# Altium PCB Copy of RasperryPi_Hat22.PcbDoc
Units mil, origin at the board's own origin, x right, y up, seen from the top; angles counter-clockwise.
Board outline 2559.06 x 2241.41 mil, 2 copper layers (Top Layer, Bottom Layer); 88 components, 71 nets, 331 pads, 93 vias.
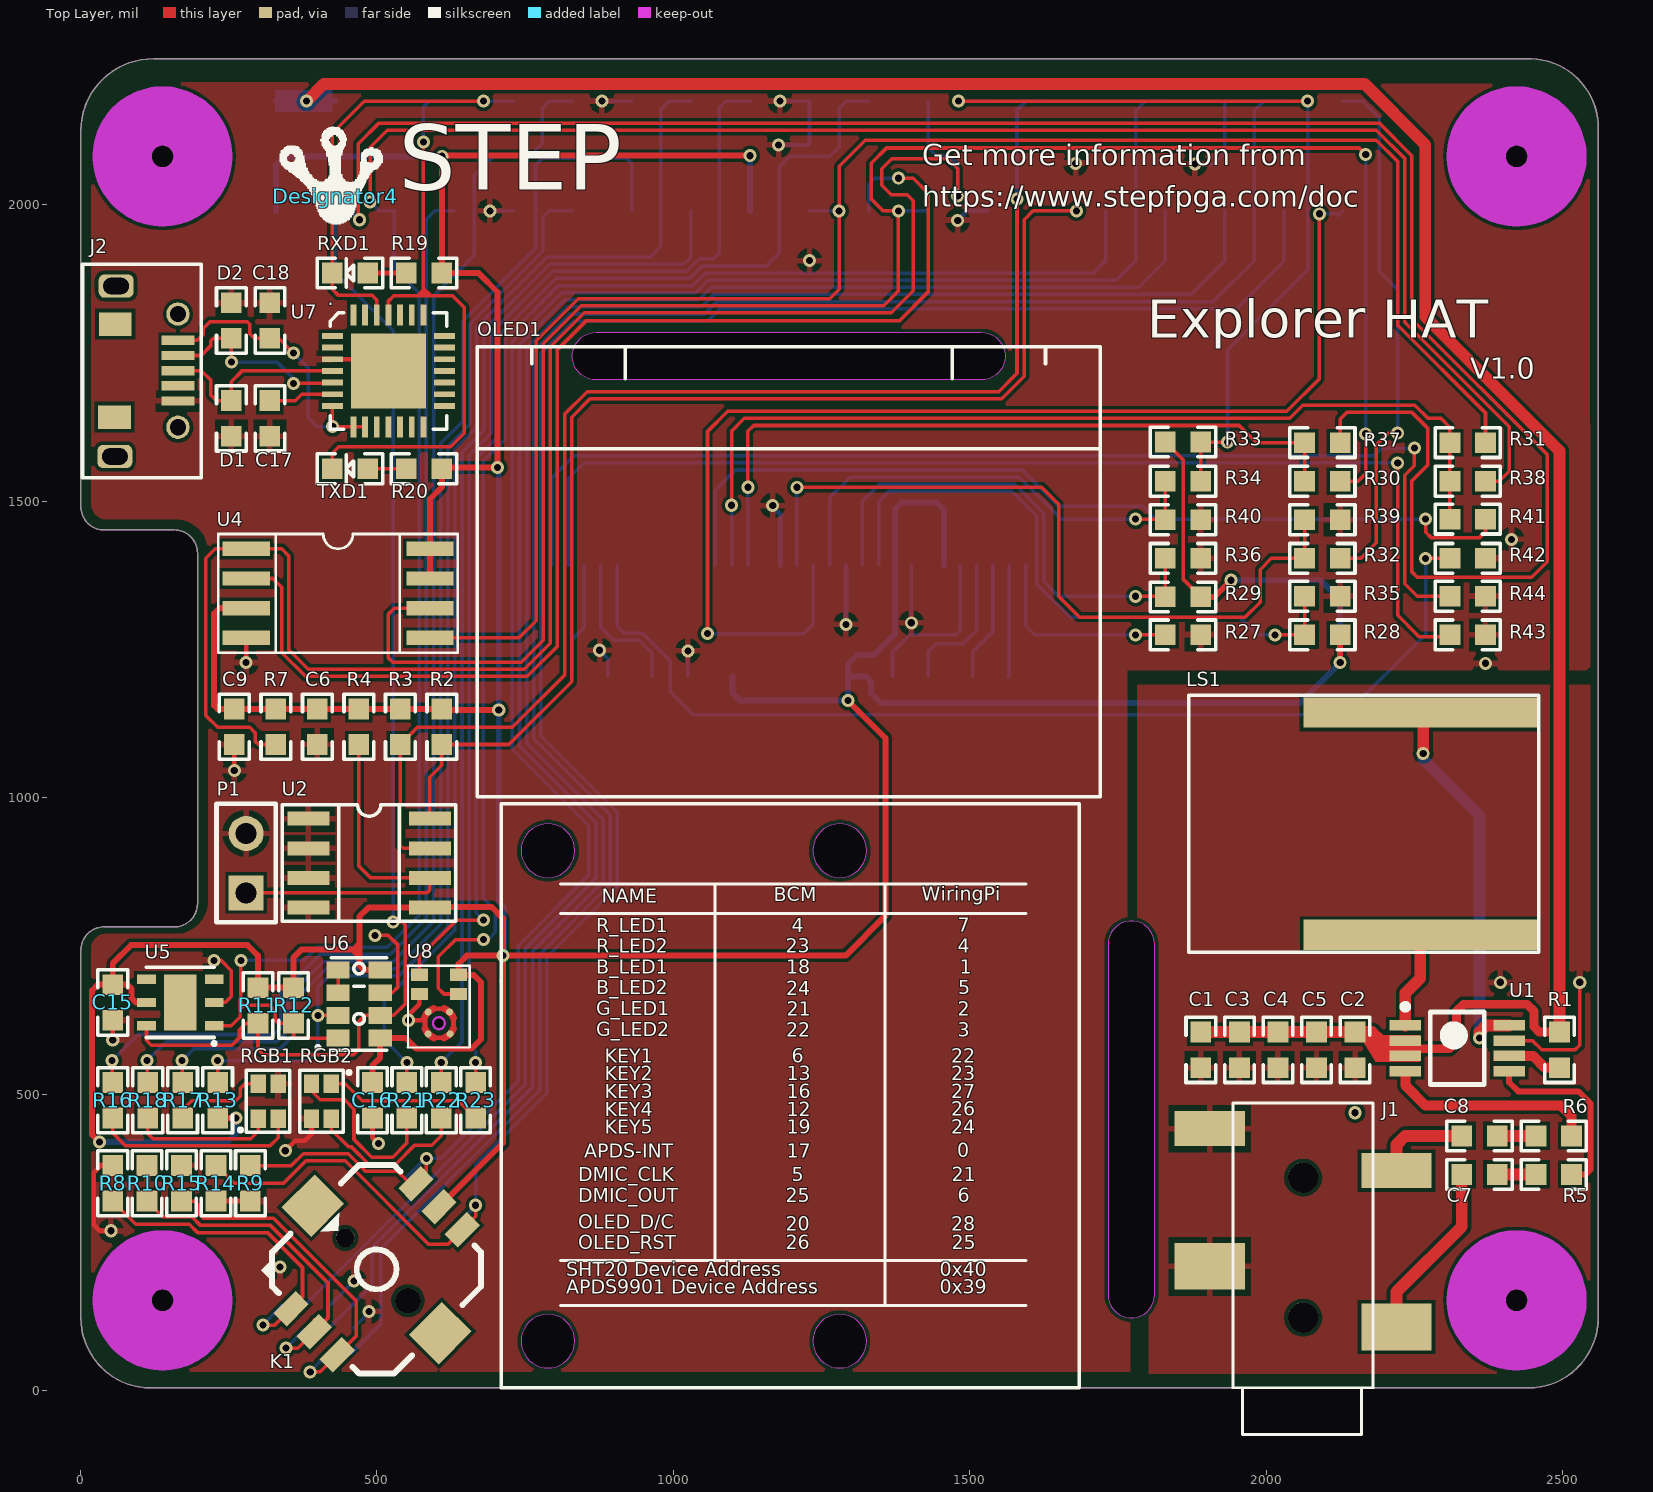
[diagram p0: Top Layer view]
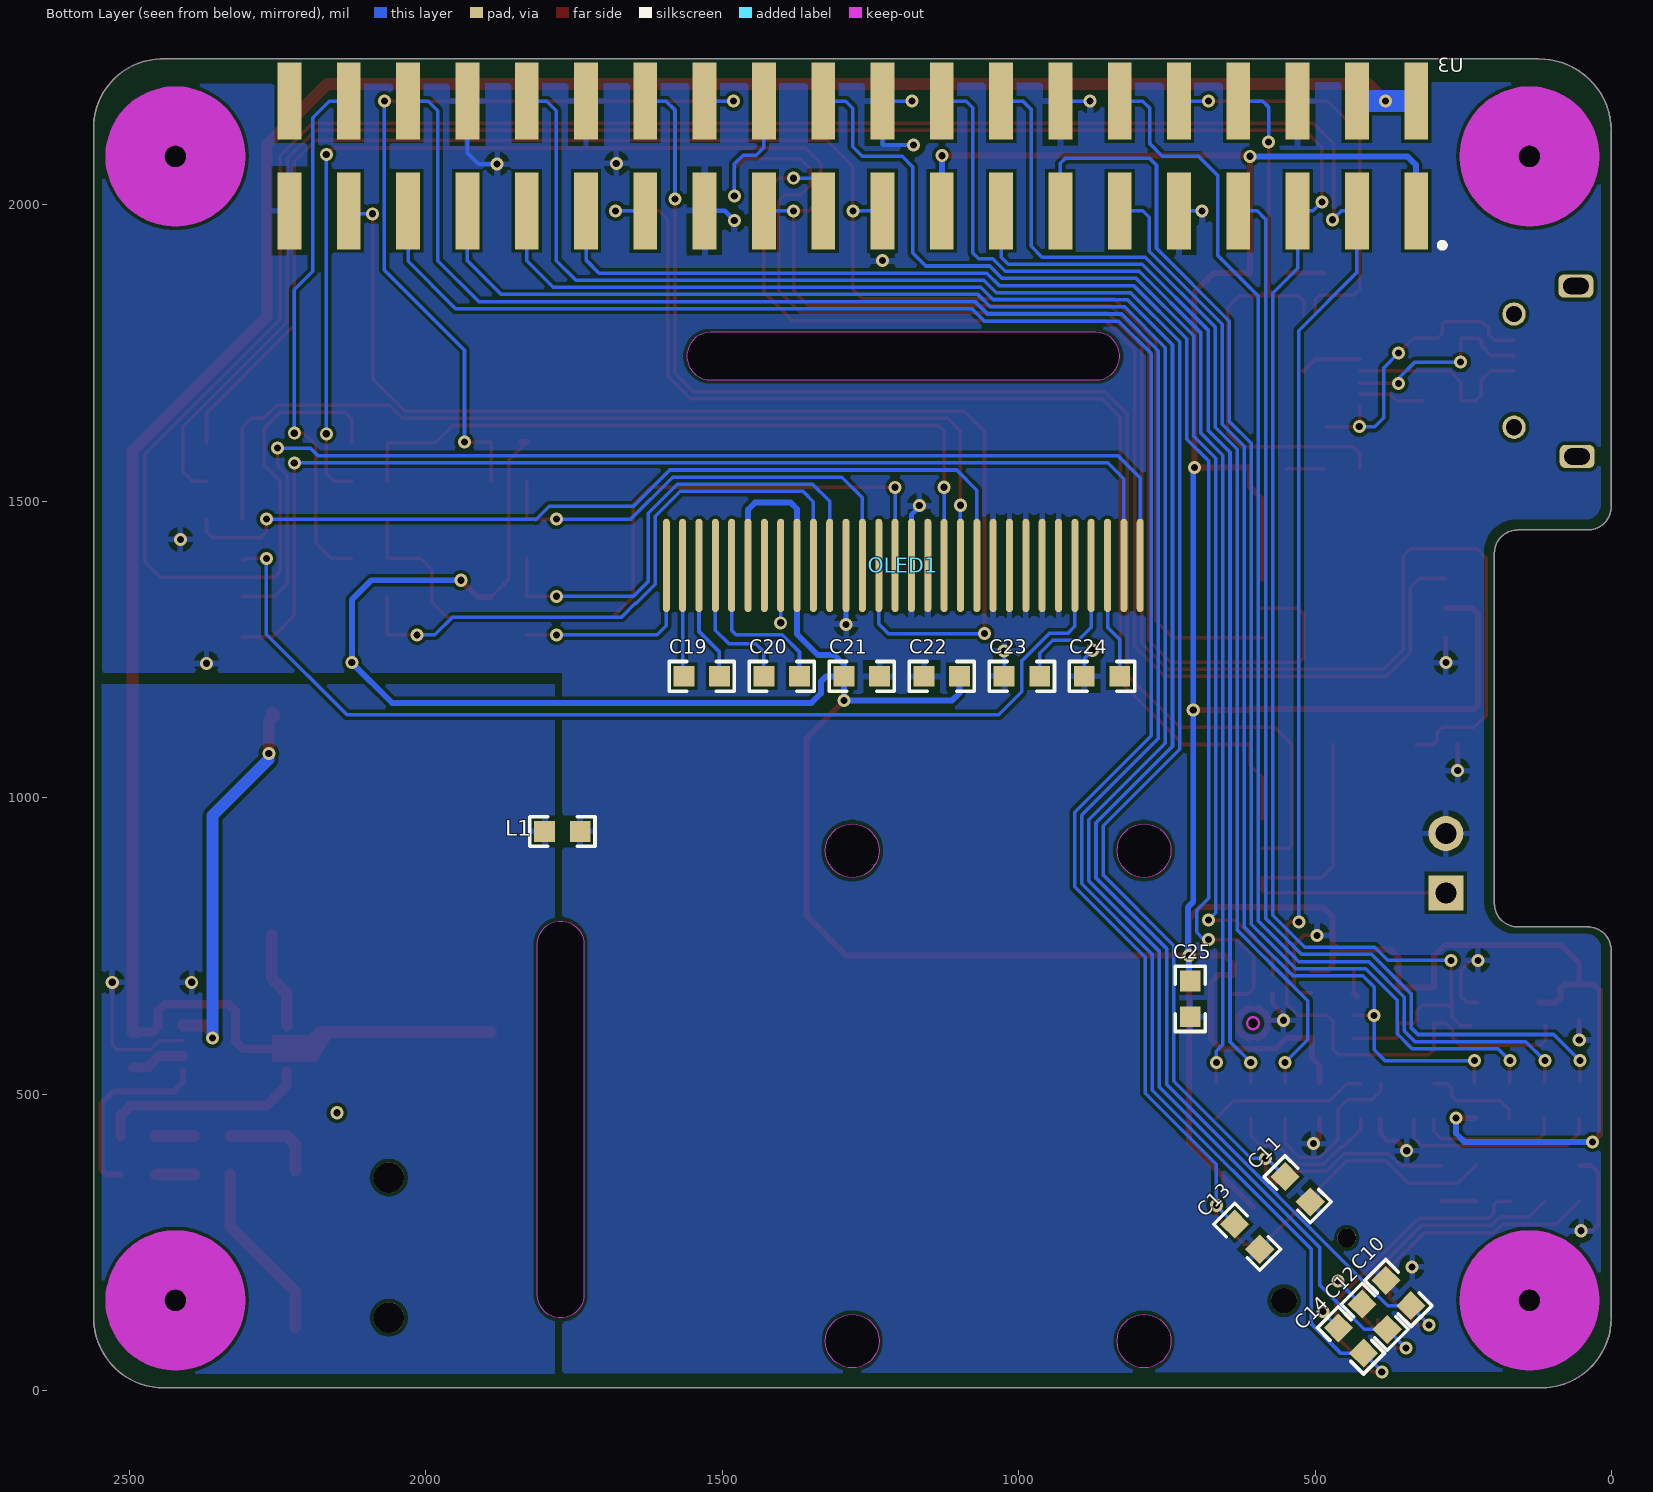
[diagram p1: Bottom Layer view, seen from below]

## Layer stack, top to bottom
Top Solder: solder mask 0.4, Solder Resist, Dk 3.5
Top Layer: signal copper 1.4
Dielectric 1: dielectric 12.6, FR-4, Dk 4.8
Bottom Layer: signal copper 1.4
Bottom Solder: solder mask 0.4, Solder Resist, Dk 3.5

## Board outline
1.18,123.08 1.18,743.15 cw(c40.55,743.15) 40.55,782.52 158.66,782.52 ccw(c158.66,821.89) 198.03,821.89 198.03,1412.45 ccw(c158.66,1412.45) 158.66,1451.82 40.55,1451.82 cw(c40.55,1491.19) 1.18,1491.19 1.18,2126 cw(c122.92,2124.63) 124.29,2246.38 2447.12,2246.38 cw(c2443.99,2130.13) 2560.23,2127 2560.23,123.08 cw(c2442.12,123.08) 2442.12,4.97 119.29,4.97 cw(c119.29,123.08)
cut-out: 1235.72,911 ccw(c1281,911) 1281,865.72 ccw(c1281,911) 1326.28,911 ccw(c1281,911) 1281,956.28 ccw(c1281,911)
cut-out: 1235.72,84 ccw(c1281,84) 1281,38.72 ccw(c1281,84) 1326.28,84 ccw(c1281,84) 1281,129.28 ccw(c1281,84)
cut-out: 743.72,84 ccw(c789,84) 789,38.72 ccw(c789,84) 834.28,84 ccw(c789,84) 789,129.28 ccw(c789,84)
cut-out: 743.72,911 ccw(c789,911) 789,865.72 ccw(c789,911) 834.28,911 ccw(c789,911) 789,956.28 ccw(c789,911)
cut-out: 595,620 ccw(c605,620) 605,610 ccw(c605,620) 615,620 ccw(c605,620) 605,630 ccw(c605,620)
cut-out: 870,1705 cw(c870,1745) 870,1785 1520,1785 cw(c1520,1745) 1520,1705
cut-out: 1733.46,162.45 ccw(c1772.83,162.45) 1812.2,162.45 1812.2,753 ccw(c1772.83,753) 1733.46,753

## Design rules (kind name [scope] priority, off if disabled: settings)
Clearance [All] p1: gap=6
DiffPairsRouting [All] p1: maxlimit=8 minlimit=8 mostfreqgap=8 toplayer_minwidth=6 toplayer_maxwidth=6 toplayer_prefwidth=6 bottomlayer_minwidth=6 bottomlayer_maxwidth=6 bottomlayer_prefwidth=6 maxuncoupledlength=500
HoleSize [All] p1: absolutevalues=TRUE maxlimit=196.85 minlimit=1 maxpercent=80.000 minpercent=20.000
HoleToHoleClearance [All] p1: gap=6 allowstackedmicrovias=TRUE
MinimumSolderMaskSliver [All] p1 off: minsoldermaskwidth=0
PolygonConnect [All] p1: connectstyle=Relief reliefconductorwidth=10 reliefentries=4 polygonreliefangle="90 Angle" airgapwidth=10
RoutingVias [All] p1: holewidth=12 width=22 viastyle="Through Hole" minholewidth=12 minwidth=22 maxholewidth=12 maxwidth=22
SilkToSilkClearance [All] p1: silktosilkclearance=1
SilkToSolderMaskClearance [IsPad] p1: minsilkscreentomaskgap=1 clearancetoexposedcopper=TRUE
SolderMaskExpansion [All] p1: expansion=4
Width [All] p1: maxlimit=20 minlimit=6 preferedwidth=6
24 further rules are at their usual default settings.

## Classes and differential pairs
component class OLED: C19 C20 C21 C22 C23 C24 OLED1 R27 R28 R29 R30 R31 R32 R33 R34 R35 R36 R37 R38 R39 R40 R41 R42 R43 R44
component class Key_RGB_Sensor_Uart: C10 C11 C12 C13 C14 C15 C16 C17 C18 C25 D1 D2 J2 K1 R8 R9 R10 R11 R12 R13 R14 R15 R16 R17 R18 R19 R20 R21 R22 R23 RGB1 RGB2 RXD1 TXD1 U5 U6 U7 U8
component class Audio_Flash_eeprom: C1 C2 C3 C4 C5 C6 C7 C8 C9 J1 L1 LS1 P1 R1 R2 R3 R4 R5 R6 R7 U1 U2 U3 U4
differential pair UART: +UART_P -UART_N

## Components (designator, comment, footprint, x,y, rotation, side; value= is the part's Value field where it differs from the comment)
C1 "10uF" C0603 1890,575 r90 top
C2 "1uF" C0603 2150,575 r90 top
C3 "1uF" C0603 1955,575 r90 top
C4 "DNI" C0603 2020,575 r90 top
C5 "DNI" C0603 2085,575 r90 top
C6 "100nF" C0603 400,1120 r90 top
C7 "7nF" C0603 2360,365 r180 top
C8 "7nF" C0603 2360,430 r180 top
C9 "100nF" C0603 260,1120 r90 top
C10 "100nF" C0603 360,165 r45 bottom
C11 "100nF" C0603 530,340 r45 bottom
C12 "100nF" C0603 400,125 r45 bottom
C13 "100nF" C0603 615,260 r45 bottom
C14 "100nF" C0603 440,85 r45 bottom
C15 "100nF" C0603 55,655 r90 top
C16 "100nF" C0603 493,490 r90 top
C17 "100nF" C0603 320,1640 r90 top
C18 "100nF" C0603 320,1805 r270 top
C19 "1uF" C0603 1535,1205 r0 bottom
C20 "1uF" C0603 1400,1205 r0 bottom
C21 "1uF" C0603 1265,1205 r0 bottom
C22 "1uF" C0603 1130,1205 r180 bottom
C23 "4.7uF" C0603 995,1205 r180 bottom
C24 "2.2uF" C0603 860,1205 r180 bottom
C25 "100nF" C0603 711,661 r90 bottom
D1 "PGB1010603" C0603 255,1640 r90 top
D2 "PGB1010603" C0603 255,1805 r270 top
Designator4 "Comment" "LOGO STEP 4.5x4.5mm" 430,2015 r0 top
J1 "Headphone" AudioJack 1905,210 r0 top
J2 "MicroUSB" MICRO_USB_4 165,1625 r90 top
K1 "KEY_5_DIR" KEY-CH5 500,205 r45 top
L1 "Inductor" C0603 1769.92,943.47 r180 bottom
LS1 "Speaker" Speaker 2460,740 r90 top
OLED1 "OLED12864" OLED_128*64_0.96_30PIN 1195,1395 r0 top
P1 "Header 2" HDR1X2 280,840 r90 top
R1 "4.7K" R0603 2495,545 r90 top
R2 "4.7K" R0603 610,1090 r90 top
R3 "4.7K" R0603 540,1090 r90 top
R4 "4.7K" R0603 470,1090 r90 top
R5 "150K" R0603 2515,365 r180 top
R6 "150K" R0603 2515,430 r180 top
R7 "4.7K" R0603 330,1090 r90 top
R8 "2K" R0603 55,320 r90 top
R9 "2K" R0603 287,320 r90 top
R10 "2K" R0603 113,320 r90 top
R11 "4.7K" R0603 300,620 r90 top
R12 "4.7K" R0603 360,620 r90 top
R13 "4.7K" R0603 232,520 r270 top
R14 "2K" R0603 229,320 r90 top
R15 "2K" R0603 171,320 r90 top
R16 "2K" R0603 55,460 r90 top
R17 "2K" R0603 173,460 r90 top
R18 "2K" R0603 114,460 r90 top
R19 "2K" R0603 610,1885 r180 top
R20 "2K" R0603 610,1555 r180 top
R21 "2K" R0603 551,460 r90 top
R22 "2K" R0603 609,460 r90 top
R23 "2K" R0603 667,460 r90 top
R27 "0R" R0603 1890,1275 r180 top
R28 "4.7K" R0603 2125,1275 r180 top
R29 "4.7K" R0603 1890,1339 r180 top
R30 "0R" R0603 2125,1534 r180 top
R31 "0R" R0603 2370,1599 r180 top
R32 "0R" R0603 2125,1404 r180 top
R33 "4.7K" R0603 1830,1600 r0 top
R34 "0R" R0603 1830,1534 r0 top
R35 "4.7K" R0603 2065,1340 r0 top
R36 "4.7K" R0603 1830,1404 r0 top
R37 "0R" R0603 2065,1599 r0 top
R38 "0R" R0603 2310,1534 r0 top
R39 "0R" R0603 2065,1469 r0 top
R40 "4.7K" R0603 1830,1469 r0 top
R41 "0R" R0603 2310,1470 r0 top
R42 "1M" R0603 2370,1404 r180 top
R43 "0R" R0603 2370,1275 r180 top
R44 "0R" R0603 2370,1340 r180 top
RGB1 "RGB_CN" RGB_LEDCN 334,459 r90 top
RGB2 "RGB_CN" RGB_LEDCN 390,518 r270 top
RXD1 "LED" LED0603 485,1885 r180 top
TXD1 "LED" LED0603 485,1555 r180 top
U1 "PAM8303DBSC" MSOP8 2322.4,577.8 r0 top
U2 "CAT24C32WI-GT3" SOP-8 385,965 r0 top
U3 "Raspberrypi_40pins" SMT_2*20_2.54 330,1990 r0 bottom
U4 "W25Q64FVSSIG" SOIC8 435,1345 r0 top
U5 "SHT-20" SHT20 169,655 r0 top
U6 "APDS-9901" APDS9901 435,595 r0 top
U7 "CP2102-GM" QFN5*5_28 520,1720 r0 top
U8 "SPH0641LM4H" SPH(3.5*2.65) 605,620 r0 top

## Footprints (in the part's own frame and the unit in brackets; to place one, negate y for a bottom-side part, rotate by r counter-clockwise, add the part's x,y. Pads: shape width x height; smd on the part's side, far side on the other; paste and mask are expansions set on the pad)
APDS9901 [mm] "接近式传感器"
  rect 1x0.72 smd: 1(0,0) 2(0,0.97) 3(0,1.94) 4(0,2.91) 5(1.8,2.91) 6(1.8,1.94) 7(1.8,0.97) 8(1.8,0)
  silkscreen extent -0.94,-0.53 2.08,3.44
AudioJack [mm]
  rect 3x2 smd: 1(8,-2.6) 3(0,0)
  rect 3x1.5 smd: 2(8,4.1) 4(0,5.9)
  round 1.3 hole 1.3 unplated: G1(4,-2.2) G2(4,3.8)
  silkscreen extent 1,-7.2 7,7
C0603 [mil]
  rect 35x35 smd: 1(-30,0) 2(30,0)
  silkscreen extent -55,-25 55,25, body extent -31,-16 31,16, height 24
HDR1X2 [mm] "Connector; Header; 2 Position"
  rect 1.5x1.5 hole 0.9: 1(0,0)
  round 1.5 hole 0.9: 2(2.54,0)
  silkscreen extent -1.27,-1.27 3.81,1.27
KEY-CH5 [mm]
  rect 1.35x0.8 smd: 1(-3.785,1.397) 2(-3.785,0) 3(-3.785,-1.397) 4(3.785,1.397) 5(3.785,0) 6(3.785,-1.397)
  round 1.1 hole 1.1: ""(0,-1.9)
  rect 2x1.8 smd: ""(0,3.861) ""(0,-3.861)
  round 0.8 hole 0.8: ""(0,1.9)
  silkscreen extent -3.68,-3.68 3.68,3.68, body extent -3.74,-3.75 3.74,3.75, height 5
LED0603 [mil]
  rect 35x35 smd: 1(0,0) 2(60,0)
  silkscreen extent -25,-25 85,25, body extent -3,-18 64,18, height 35
"LOGO STEP 4.5x4.5mm" [mil] "step丝印，4.5x4.5mm"
  silkscreen extent -94,-47 81,117
MICRO_USB_4 [mm]
  rect 0.4x1.4 smd: 1(3.725,0) 2(3.075,0) 3(2.425,0) 4(1.775,0) 5(1.125,0)
  rrect50% 1x1.5 hole 0.7 slot 1.1 at 90 deg: ""(-1.251,2.701) ""(6.05,2.65)
  round 1 hole 0.7: ""(0,0) ""(4.85,0)
  rect 1x1.4 smd: ""(0.432,2.718) ""(4.42,2.692)
  silkscreen extent -2.16,-1 6.98,4.09, body extent -1.69,-0.15 6.51,5.28, height 2.73
MSOP8 [mm] "MSOP, 8-Leads, Body 3.00x3.00mm, Pitch 0.65mm, IPC Medium Density"
  rect 1.35x0.45 smd: 1(-2.225,0.975) 2(-2.225,0.325) 3(-2.225,-0.325) 4(-2.225,-0.975) 6(2.225,-0.325) 7(2.225,0.325) 8(2.225,0.975)
  rect 1.35x0.45 smd mask+0.102: 5(2.225,-0.975)
  silkscreen extent -2.35,-1.55 1.15,1.9, body extent -1.55,-1.55 1.55,1.55, height 1.1
OLED_128*64_0.96_30PIN [mm] "OLED_128*64_0.96_30PIN"
  oval 0.3x4 smd far side: 1(10.15,-0.076) 2(9.45,-0.076) 3(8.75,-0.076) 4(8.05,-0.076) 5(7.35,-0.076) 6(6.65,-0.076) 7(5.95,-0.076) 8(5.25,-0.076) 9(4.55,-0.076) 10(3.85,-0.076) 11(3.15,-0.076) 12(2.45,-0.076) 13(1.75,-0.076) 14(1.05,-0.076) 15(0.35,-0.076) 16(-0.35,-0.076) 17(-1.05,-0.076) 18(-1.75,-0.076) 19(-2.45,-0.076) 20(-3.15,-0.076) 21(-3.85,-0.076) 22(-4.55,-0.076) 23(-5.25,-0.076) 24(-5.95,-0.076) 25(-6.65,-0.076) 26(-7.35,-0.076) 27(-8.05,-0.076) 28(-8.75,-0.076) 29(-9.45,-0.076) 30(-10.15,-0.076)
  silkscreen extent -13.35,-9.98 13.35,9.3, body extent -13.27,-9.98 13.43,12.24, height 1.32
QFN5*5_28 [mm] "类型QFN，尺寸5*5mm，引脚28pin"
  rect 0.9x0.25 smd: 1(-2.4,1.5) 2(-2.4,1) 3(-2.4,0.5) 4(-2.4,0) 5(-2.4,-0.5) 6(-2.4,-1) 7(-2.4,-1.5) 15(2.4,-1.5) 16(2.4,-1) 17(2.4,-0.5) 18(2.4,0) 19(2.4,0.5) 20(2.4,1) 21(2.4,1.5)
  rect 0.25x0.9 smd: 8(-1.5,-2.4) 9(-1,-2.4) 10(-0.5,-2.4) 11(0,-2.4) 12(0.5,-2.4) 13(1,-2.4) 14(1.5,-2.4) 22(1.5,2.4) 23(1,2.4) 24(0.5,2.4) 25(0,2.4) 26(-0.5,2.4) 27(-1,2.4) 28(-1.5,2.4)
  rect 3.2x3.2 smd: 29(0,0)
  silkscreen extent -2.5,-2.5 2.5,2.5, body extent -2.49,-2.5 2.51,2.5, height 1.07
R0603 [mil]
  rect 35x35 smd: 1(0,0) 2(60,0)
  silkscreen extent -25,-25 85,25, body extent -1,-16 62,16, height 18
RGB_LEDCN [mm] "RGB三色灯，共阴，1.5*1.6mm"
  rect 0.8x0.65 smd: 1(0,0.85) 2(1.5,0.85) 3(0,0) 4(1.5,0)
  silkscreen extent -0.58,-0.5 2.08,1.64
SHT20 [mm] "温湿度传感器"
  rect 1.4x2.4 smd: 0(0,0)
  rect 0.8x0.4 smd: 1(1.45,-1) 2(1.45,0) 3(1.45,1) 4(-1.45,1) 5(-1.45,0) 6(-1.45,-1)
  silkscreen extent -1.45,-1.84 1.53,1.5
SMT_2*20_2.54 [mm]
  rect 1.02x3.3 smd: 1(0,0) 2(0,-4.7) 3(2.54,0) 4(2.54,-4.7) 5(5.08,0) 6(5.08,-4.7) 7(7.62,0) 8(7.62,-4.7) 9(10.16,0) 10(10.16,-4.7) 11(12.7,0) 12(12.7,-4.7) 13(15.24,0) 14(15.24,-4.7) 15(17.78,0) 16(17.78,-4.7) 17(20.32,0) 18(20.32,-4.7) 19(22.86,0) 20(22.86,-4.7) 21(25.4,0) 22(25.4,-4.7) 23(27.94,0) 24(27.94,-4.7) 25(30.48,0) 26(30.48,-4.7) 27(33.02,0) 28(33.02,-4.7) 29(35.56,0) 30(35.56,-4.7) 31(38.1,0) 32(38.1,-4.7) 33(40.64,0) 34(40.64,-4.7) 35(43.18,0) 36(43.18,-4.7) 37(45.72,0) 38(45.72,-4.7) 39(48.26,0) 40(48.26,-4.7)
  silkscreen extent -1.23,1.37 -1.01,1.58
SOIC8 [mil]
  rect 80x24 smd: 1(-155,75) 2(-155,25) 3(-155,-25) 4(-155,-75) 5(155,-75) 6(155,-25) 7(155,25) 8(155,75)
  silkscreen extent -202,-100 202,100, body extent -167,-106 163,106, height 91
SOP-8 [mm]
  rect 1.8x0.6 smd: 1(0,0) 2(0,-1.27) 3(0,-2.54) 4(0,-3.81) 5(5.2,-3.81) 6(5.2,-2.54) 7(5.2,-1.27) 8(5.2,0)
  silkscreen extent -1.12,-4.4 6.32,0.6, body extent -0.38,-4.36 5.62,0.55, height 1.7
Speaker [mm]
  rect 1.3x10 smd: 1(0.737,5.08) 2(10.262,5.08)
  silkscreen extent 0,0 11,15
SPH(3.5*2.65) [mm]
  rect 0.725x0.522 smd: 1(-0.837,2.074) 2(-0.837,1.252) 4(0.837,1.252) 5(0.837,2.074)
  round 0.3 smd: 3(-0.457,-0.457) 3(-0.457,0.483) 3(0.457,0.483) 3(0.483,-0.457)
  Top Layer lines w0.3: -0.623,0.224 cw(c0,-0.002) -0.227,0.62 ; -0.595,-0.227 ccw(c0.028,0) -0.199,-0.623 ; 0.227,-0.623 ccw(c0,0) 0.623,-0.227 ; 0.227,0.623 cw(c0,0) 0.232,0.62 cw(c0,0) 0.623,0.227
  Keep-Out Layer circle w0.102: c0,0 r0.254
  silkscreen extent -1.33,-1.04 1.33,2.46

## Part data
C1 C2 C3 C4 C5 C6 C7 C8 C10 C11 C12 C13 C14 C15 C16 C19 C20 C21 C22 C23 C24: library part "Cap Semi", "Capacitor (Semiconductor SIM Model)"
C9 C17 C18 C25: library part Cap, "Capacitor"
D1 D2: "ESD 抑制器 0603 24VDC .06pF"
J1: library part PHONEJACK1
J2: library part "Micro USB Header", "Micro USB Header"
K1: "五向按键开关，摇杆"
LS1: "Loudspeaker"
OLED1: "OLED 12864 0.9inch"
P1: "Header, 2-Pin"
R1 R2 R3 R4 R5 R6 R7 R8 R9 R10 R11 R12 R13 R14 R15 R16 R17 R18 R19 R20 R21 R22 R23 R27 R28 R29 R30 R31 R32 R33 R34 R35 R36 R37 R38 R39 R40 R41 R42 R43 R44: library part Res1, "Resistor"
RXD1 TXD1: "Typical INFRARED GaAs LED,1.8V,10mA,Red"
U1: library part PAM8303D
U2: "Raspiberry Config EEProm"
U3: "树莓派40pin管脚"
U4: library part M25P32-VMW6TG
U5: "温湿度传感器"
U6: "接近式传感器"
U7: library part CP2102, "CP2102，USB转串口UART驱动芯片"
U8: "数字麦克风"

## Free pads (board coordinates)
  round 106.3 hole 108.27 mask+66.93: 6(138.97,152.6) 6(138.97,2081.74) 6(2422.44,152.6) 6(2422.44,2081.74)

## Via types
v1: diameter 22, hole 12, Top Layer to Bottom Layer, tented both sides, 93 vias

## Nets (pads, with @x,y where several pads share a name; then routed paths per layer and width w, separated by ;. In a path a pad name is that pad's centre, name@x,y a point inside that pad or via, vN(x,y) a via of type N, cw(c..) or ccw(c..) an arc to the next point about the centre after c; other vN are vias at no path point)
+3.3V: C6.2 C9.2 C15.2 C16.2 C21.2 C22.2 C25.2 K1.5 OLED1.6 OLED1.9 R2.2 R3.2 R4.2 R7.2 R11.2 R12.2 R13.2 R19.1 R20.1 R28.1 R29.1 R33.1 U2.5 U3.1 U3.17 U4.3 U4.7 U4.8 U5.5 U6.5 U6.8 U8.5 | length 9556.3
  Top Layer w6: R33.1 1860,1570 1860,1369 R29.1
  Top Layer w10: v1(33,420) 32,420 20,432 20,675 30,685 C15.2 ; U5.5@122.91,655 94,655 87,662 87,678 80,685 C15.2 ; R13.2 v1(263,460) ; U4.3 235,1320 226,1311 226,1156 232,1150 C9.2 R7.2 C6.2 R4.2 R3.2 R2.2 611,1151 614,1148 v1(706,1148) ; C16.2 493,549 505.87,561.87 U6.8 549,595 567,577 660,577 676,593 676,689 663.35,701.65 U8.5 637.97,720 651.97,734 v1(713,734) ; U6.5 479.43,709.57 471,718 471,733 460,744 ; U4.7 U4.8 590,1504 610,1524 R20.1 612,1557 v1(704,1557) 704,1853 672,1885 R19.1 v1(610,2082) 612,2080 615,2083 v1(1130,2083) ; K1.5 713,418 v1(713,734) ; v1(1295,1164) 1358,1101 1358,801 1291,734 v1(713,734) ; R33.1 R33.1@1839,1600 ; R29.1 1913,1339 v1(1941,1367) ; v1(2125,1228) R28.1 ; C15.2 55,721 86,752 282,752 300,734 R11.2 R12.2 360,731 373,744 460,744 ; 460,744 461,744 471,754 471,800 486,815 U2.5 590.72,816 694,816 713,797 v1(713,734)
  Bottom Layer w10: v1(33,420) 249,420 263,434 v1(263,460) ; U3.1 330,2067 345,2082 v1(610,2082) ; v1(704,1557) 706,1555 v1(706,1148) 706,824.8 714.25,816.55 714.25,815.75 715,815 715,736 v1(713,734) 713,693 C25.2 ; C22.2 1100,1177 1113,1164 v1(1295,1164) C21.2 ; U3.17 v1(1130,2083) ; OLED1.6 1456.81,1486.19 1445,1498 1385,1498 1374.13,1487.13 OLED1.9 1374.13,1276.13 1339,1241 1311,1241 1295,1225 C21.2 ; v1(1941,1367) 2092,1367 2125,1334 v1(2125,1228) 2057,1160 1350,1160 1334,1176 1334,1196 1325,1205 C21.2
+5V: C18.2 J2.1 U7.7 U7.8 U7.9 | length 502.7
  Top Layer w6: J2.1 197.65,1771.65 208,1782 208,1792 219,1803 282,1803 286,1799 286,1783 294,1775 C18.2 335,1775 v1(360,1750) ; U7.7 425.51,1626.51 v1(426,1626) 480.39,1626 U7.9@481.39,1625
  Bottom Layer w6: v1(360,1750) 385,1725 385,1641 400,1626 v1(426,1626)
+5V_RPi: C1.2 C2.2 C3.2 C4.2 C5.2 R1.2 U1.2 U1.3 U3.2 U3.4 | length 4294.8
  Top Layer w15: 2235,577 2309,577 2321,589 2321,640 2333,652 2440,652 2452,640 2452,614 2461,605 R1.2@2486,605
  Top Layer w20: v1(382,2175) 411,2204 2166,2204 2268.5,2101.5 2268.5,1811.37 2495,1584.87 R1.2 R1.2@2486,605 ; C1.2 C3.2 C4.2 C5.2 C2.2 2178.55,605 2192.23,591.32
  Bottom Layer w10: U3.2 U3.4
APDS-INT: R13.1 U3.11 U6.2 | length 1924.3
  Top Layer w6: R13.1 v1(232,557) ; v1@408.81,633.19 U6.2
  Bottom Layer w6: v1(232,557) 383,557 401,575 v1(401,633) 401,681.03 419.97,700 537.88,700 556,718.12 556,718.23 581.77,744 581.88,744 620.01,782.13 620.01,1592.85 657,1629.84 657,1799.03 780,1922.03 780,1979 791,1990 U3.11
AUDIO_GND: C1.1 C2.1 C3.1 C4.1 C5.1 J1.3 J1.4 L1.1 U1.7 | length 234.8
  Top Layer w6: U1.7 2449.41,590.59 2465,575 2521,575 2529,583 v1(2529,689)
  other v1: 2395,689
B_LED1: R18.2 U3.12 | length 2188.3
  Top Layer w6: R18.2@113,521 v1(113,557)
  Bottom Layer w6: v1(113,557) 145,589 332.03,589 350,606.97 350,663.97 410.03,724 527.94,724 532,728.06 532,728.17 571.83,768 571.94,768 596.01,792.07 596.01,1846.01 665,1915 665,2050 697,2082 758,2082 779,2103 779,2163 791.04,2175.04 U3.12
B_LED2: R23.2 U3.18 | length 2026.4
  Top Layer w6: R23.2 v1(667,554)
  Bottom Layer w6: v1(667,554) 667,573 656.01,583.99 656.01,1577.94 693,1614.93 693,1784.12 796.88,1888 1023.21,1888 1044.21,1909 1068,1909 1078,1919 1078,2164 1089.04,2175.04 U3.18
BS0: OLED1.10 R28.2 R35.1 | length 1065.8
  Top Layer w6: v1(2015,1275) R28.2 R35.1
  Bottom Layer w6: OLED1.10 1346.57,1499.57 1364,1517 1571.03,1517 1613,1475.03 1613,1360.03 1645.03,1328 1647,1328 1670,1305 1955,1305 1985,1275 v1(2015,1275)
BS1: OLED1.11 R29.2 R36.1 | length 842.1
  Top Layer w6: v1(1780,1340) 1829,1340 R29.2 R36.1
  Bottom Layer w6: OLED1.11 1319.02,1500.02 1348,1529 1576,1529 1625,1480 1625,1365 1650,1340 v1(1780,1340)
CE0: R7.1 U3.24 U4.1 | length 2970.5
  Top Layer w6: R7.1 301,1090 295,1096 295,1110 286,1119 232,1119 212,1139 212,1404 228,1420 U4.1 340,1420 352,1408 352,1249.97 384.97,1217 749.03,1217 793,1260.97 793,1761.03 849.97,1818 1368,1818 1405,1855 1405,2007 1395,2017 1368,2017 1352,2033 1352,2061 1369,2078 1463,2078 1480,2061 v1(1480,2015)
  Bottom Layer w6: U3.24 1430,2097 1443,2084 1465,2084 1480,2069 v1(1480,2015)
CE1: R33.2 R34.2 U3.26 | length 1379.9
  Top Layer w6: v1(1481,2175) v1(2070,2175) ; R34.2 R33.2 v1(1935,1600)
  Bottom Layer w6: v1(1481,2175) v1(1481,2175) U3.26 ; v1(1935,1600) 1935,1755 2070,1890 v1(2070,2175)
CLK: OLED1.18 R30.2 R37.1 | length 1246.1
  Top Layer w6: v1(1126.1,1523.9) 1126.1,1618.1 1136,1628 1955,1628 1984,1599 R37.1 R30.2
  Bottom Layer w6: OLED1.18 v1(1126.1,1523.9)
CS: OLED1.13 R34.1 R40.1 | length 787.9
  Top Layer w6: v1(1780,1470) R40.1@1829,1470 ; R40.1 R34.1
  Bottom Layer w6: OLED1.13 1263.9,1505.9 1299,1541 1584,1541 1655,1470 v1(1780,1470)
D/C: OLED1.15 R32.2 R39.1 | length 1307.6
  Top Layer w6: v1(1208.78,1523.78) 1621.22,1523.78 1650,1495 1650,1340 1685,1305 1965,1305 1990,1330 1990,1385 2009,1404 R32.2 R39.1
  Bottom Layer w6: OLED1.15 v1(1208.78,1523.78)
DIN: OLED1.19 R31.2 R38.1 R41.1 | length 1626.3
  Top Layer w6: v1(1098.54,1493.54) 1098.54,1618.54 1120,1640 2039.97,1640 2061.97,1662 2251,1662 2273,1640 2295,1640 2310,1625 R31.2 R38.1 R41.1
  Bottom Layer w6: OLED1.19 v1(1098.54,1493.54)
DMIC_CLK: U3.29 U8.4 | length 2380
  Top Layer w6: U8.4 613.71,669.29 604,679 604,732 633,761 v1(680,761)
  Bottom Layer w6: v1(680,761) 688,761 700.25,773.25 700.25,810.75 680.01,830.99 680.01,1568 717,1604.99 717,1774.18 806.82,1864 1033.15,1864 1054.15,1885 1708,1885 1730,1907 U3.29
DMIC_OUT: U3.22 U8.1 | length 2085
  Top Layer w6: U8.1@574.68,701 573.68,700 U8.1 572.03,731.03 635,794 v1(680.25,794)
  Bottom Layer w6: v1(680.25,794) 668.01,806.23 668.01,1572.97 705,1609.96 705,1779.15 801.85,1876 1028.18,1876 1049.18,1897 1157,1897 1179,1919 1179,2064 1197,2082 1264,2082 1280,2098 1280,2163 1292.04,2175.04 U3.22
G_LED1: R17.2 U3.13 | length 2199.1
  Top Layer w6: v1(172,557) 172,521 R17.2
  Bottom Layer w6: v1(172,557) 192,577 337,577 362,602 362,659 415,712 532.91,712 544,723.09 544,723.2 576.8,756 576.91,756 608.01,787.1 608.01,1597.82 645,1634.81 645,1804 768,1927 768,2067 780,2079 921,2079 930,2070 U3.13
G_LED2: R22.2 U3.15 | length 1777
  Top Layer w6: R22.2 v1(609,554)
  Bottom Layer w6: v1(609,554) 644.01,589.01 644.01,1582.91 681,1619.9 681,1789.09 791.91,1900 1018.24,1900 1030,1911.76 U3.15
GND: C6.1 C9.1 C10.2 C11.1 C12.2 C13.1 C14.2 C15.1 C16.1 C17.1 C18.1 C21.1 C22.1 C23.1 C24.1 C25.1 D1.1 D2.1 J2.5 L1.2 OLED1.8 OLED1.12 OLED1.16 OLED1.17 OLED1.21 OLED1.22 OLED1.23 OLED1.24 OLED1.25 P1.2 R8.2 R9.1 R10.2 R14.1 R15.2 R27.1 R35.2 R36.2 R39.2 R40.2 R42.1 R43.1 R44.1 RGB1.4 RGB2.4 U2.1 U2.2 U2.3 U2.4 U3.6 U3.9 U3.14 U3.20 U3.25 U3.30 U3.34 U3.39 U4.4 U5.2 U6.6 U7.3 U7.29 U8.2 U8.3 | length 1942.7
  Top Layer w6: v1(226,726) 237.59,726 255,708.59 255,665 245,655 U5.2 ; v1(497,768) 519.87,768 536,751.87 536,681 526.38,671.38 U6.6
  Top Layer w8: v1(52,270) 33,270 23,280 23,368 35,380 R8.2 ; v1(55,592) C15.1 ; R14.1 R9.1 ; v1(260,1046) C9.1 ; v1(280,1228) U4.4 ; v1(346,405) 363,422 379,422 390,433 RGB2.4 ; U7.3 500.31,1739.69 U7.29 ; C16.1 493,427 v1(503,417) ; U8.2@573.32,668 U8.2 572.03,652.03 554,634 v1(554,625) 576.65,625 580.49,628.84 ; 581.57,611.08 581.57,629.15 ; 595.85,595.49 613.92,595.49 ; 596.08,644.43 614.15,644.43 616.2,644.43 ; 629.51,610.85 629.51,628.92
  Bottom Layer w6: C12.2 423.21,146.21 v1(462,185) ; C14.2 487,132 v1(487,134) ; v1(691,1990) U3.9 ; v1(876,1249) 890,1235 C24.1 ; v1(880,2175.04) U3.14 ; C23.1 v1(1025,1248) ; v1(1178,2101) 1228,2101 1230,2103 U3.20 v1(1180,2175.04) ; v1(1401.69,1295.31) OLED1.8 ; v1(1880,2069) 1912,2069 1930,2087 U3.34
  Bottom Layer w8: v1(1168,1493) 1168,1491 1181.22,1477.78 OLED1.16 ; v1(1291.46,1292.54) OLED1.12 ; v1(1480,1974) 1496,1990 U3.25
  other v1: 337,209 2370,1227 2414,1436 1230,1906 1679,2070
GPIO_DC: R32.1 U3.38 | length 898.5
  Top Layer w6: R32.1 2160,1404 2186,1430 2186,1595 2206,1615 v1(2222,1615)
  Bottom Layer w6: U3.38 2162.96,2175.04 2191,2147 2191,1888 2222,1857 v1(2222,1615)
IDSC: R3.1 U2.7 U3.28 | length 2279.1
  Top Layer w6: U2.7 545,915 540,920 R3.1 569,1119 729,1119 817,1207 817,1647 855,1685 1549,1685 1580,1716 v1(1580,2010)
  Bottom Layer w6: v1(1580,2010) 1580,2160 1595.04,2175.04 U3.28
IDSD: R2.1 U2.8 U3.27 | length 2042.1
  Top Layer w6: U2.8 589.72,1034.72 610,1055 R2.1 723,1090 829,1196 829,1642.03 859.97,1673 1553.97,1673 1592,1711.03 1592,1975 1607,1990 v1(1680,1990)
  Bottom Layer w6: U3.27 v1(1680,1990)
KEY1: C10.1 K1.1 R8.1 U3.31 | length 3696.7
  Top Layer w6: R8.1 94,281 184.06,281 198.06,267 316.06,267 375,208.06 375,157.78 K1.1 328.22,111 v1(308.22,111)
  Bottom Layer w6: v1(308.22,111) 338.79,141.57 C10.1 377.79,143.79 751,517 751,745.91 870,864.91 870,958.03 741,1087.03 741,1764.24 816.76,1840 1043.09,1840 1064.09,1861 1785,1861 1830,1906 U3.31
KEY2: C12.1 K1.2 R10.1 U3.33 | length 3832.3
  Top Layer w6: R10.1 139.5,293.5 188.53,293.5 203.03,279 321.03,279 418,182.03 418,143 418,123 K1.2@400,105 ; v1(347.11,72.11) 367.11,72.11 K1.2 K1.2@394.64,119.64
  Bottom Layer w6: v1(347.11,72.11) C12.1 417.79,103.79 493,179 493,242.03 763,512.03 763,740.94 882,859.94 882,963 753,1092 753,1759.27 821.73,1828 1048.06,1828 1069.06,1849 1873,1849 1930,1906 U3.33
KEY3: C14.1 K1.3 R15.1 U3.36 | length 4130.2
  Top Layer w6: R15.1 193,320 199,314 199,300 208,291 326,291 466,151 466,93.22 K1.3 404.78,32 v1(388,32)
  Bottom Layer w6: v1(388,32) 388,33 C14.1 457.79,63.79 507.5,113.5 507.24,113.76 507.24,239.3 775,507.06 775,735.97 894,854.97 894,971.03 765,1100.03 765,1754.3 826.7,1816 1053.03,1816 1074.03,1837 1911,1837 1980,1906 1980,2159 1996.04,2175.04 U3.36
KEY4: C11.2 K1.4 R9.2 U3.32 | length 3358.1
  Top Layer w6: R9.2 356.03,380 376.03,400 451.97,400 481.97,370 535.72,370 K1.4@551.47,354.25 ; K1.4 584,366.78 v1@584,386.78
  Bottom Layer w6: C11.2 582,392 v1(584,392) 609.03,392 739,521.97 739,750.88 858,869.88 858,953.06 729,1082.06 729,1769.21 811.79,1852 1038.12,1852 1059.12,1873 1747,1873 1780,1906 1780,2159 1796.04,2175.04 U3.32
KEY5: C13.2 K1.6 R14.2 U3.35 | length 3598.7
  Top Layer w6: R14.2@229,381 260,350 343,350 381,388 447,388 587.5,247.5 620.28,247.5 K1.6 667,294.22 v1(667,313)
  Bottom Layer w6: C13.2 667,312 v1(667,313) 667,382.09 787,502.09 787,731 906,850 906,976 777,1105 777,1749.32 831.68,1804 1058,1804 1079,1825 1950,1825 2030,1905 U3.35
MISO: U3.21 U4.2 | length 2170.6
  Top Layer w6: U4.2 325,1370 340,1355 340,1245 380,1205 754,1205 805,1256 805,1756.06 853.94,1805 1382,1805 1430,1853 1430,2020 1405,2045 v1(1380,2045)
  Bottom Layer w6: U3.21 1330,2035 1340,2045 v1(1380,2045)
MOSI: R31.1 U3.19 U4.5 | length 2977.5
  Top Layer w6: U4.5 740,1270 769,1299 769,1770.97 840.03,1842 1264,1842 1280,1858 v1(1280,1990) 1280,2065 1324,2109 2186.06,2109 2221.82,2073.24 2221.82,1797.24 2370,1649.06 R31.1
  Bottom Layer w6: U3.19 v1(1280,1990)
NetC7_1: C7.1 R5.2 | length 65
  Top Layer w20: C7.1 R5.2
NetC7_2: C7.2 J1.1 | length 302.9
  Top Layer w20: J1.1 2219.96,166.96 2330,277 C7.2
NetC8_1: C8.1 R6.2 | length 65
  Top Layer w20: C8.1 R6.2
NetC8_2: C8.2 J1.2 | length 159.8
  Top Layer w20: J1.2 2219.96,414.96 2235,430 C8.2
NetC17_2: C17.2 U7.6 | length 109.9
  Top Layer w6: C17.2 363,1670 373.63,1680.63 U7.6
NetC19_1: C19.1 OLED1.3 | length 201.3
  Bottom Layer w6: C19.1 1505,1246 1539.49,1280.49 OLED1.3
NetC19_2: C19.2 OLED1.2 | length 187.8
  Bottom Layer w6: C19.2 1567.05,1207.05 OLED1.2
NetC20_1: C20.1 OLED1.5 | length 280.1
  Bottom Layer w6: C20.1 1370,1246 1399,1275 1477,1275 1484.37,1282.37 OLED1.5
NetC20_2: C20.2 OLED1.4 | length 247.3
  Bottom Layer w6: C20.2 1430,1246 1444,1260 1489,1260 1511.93,1282.93 OLED1.4
NetC23_2: C23.2 OLED1.27 | length 248.2
  Bottom Layer w6: OLED1.27 878.07,1287.93 900,1266 943,1266 965,1244 C23.2
NetC24_2: C24.2 OLED1.28 | length 195.5
  Bottom Layer w6: C24.2 830,1267 850.51,1287.51 OLED1.28
NetLS1_1: LS1.1 U1.1 | length 163.3
  Top Layer w20: U1.1 2234.8,670.8 2260,696 LS1.1
NetLS1_2: LS1.2 U1.8 | length 659.2
  Top Layer w20: LS1.2 2255,1139 2265,1129 v1(2265,1075) ; v1(2360,595) 2360,605 2371.18,616.18 U1.8
  Bottom Layer w20: v1(2265,1075) 2265,1065 2360,970 v1(2360,595)
NetOLED1_1: OLED1.1 R27.2 | length 343.4
  Top Layer w6: v1(1780,1275) R27.2
  Bottom Layer w6: OLED1.1 1594.61,1290.39 1610,1275 v1(1780,1275)
NetOLED1_20: OLED1.20 R41.2 | length 1526.2
  Top Layer w6: v1(2269,1470) 2269,1448 2278,1439 2360,1439 2370,1449 R41.2
  Bottom Layer w6: OLED1.20 1070.98,1518.98 1105,1553 1588.97,1553 1649.97,1492 1792,1492 1815,1469 1816,1470 v1(2269,1470)
NetOLED1_26: OLED1.26 R42.2 | length 1787.8
  Top Layer w6: v1(2269,1404) 2300,1404 2301,1403 2302,1404 2306,1400 R42.2
  Bottom Layer w6: OLED1.26 905.63,1289.37 917,1278 947.97,1278 995,1230.97 995,1179 1034,1140 2133,1140 2269,1276 v1(2269,1404)
NetOLED1_29: OLED1.29 R43.2 | length 1916.1
  Top Layer w6: v1(2222,1565) 2222,1308 2258,1272 R43.2@2310,1272
  Bottom Layer w6: OLED1.29 822.95,1537.95 850,1565 v1(2222,1565)
NetOLED1_30: OLED1.30 R44.2 | length 1943.3
  Top Layer w6: v1(2250,1590) 2250,1560 2234,1544 2234,1361 2255,1340 R44.2
  Bottom Layer w6: OLED1.30 795.39,1539.39 833,1577 2182,1577 2195,1590 v1(2250,1590)
NetP1_1: P1.1 R4.1 U2.6 | length 665
  Top Layer w6: P1.1 585,840 589.72,844.72 U2.6 490,865 470,885 R4.1
NetR1_1: R1.1 U1.6 | length 93.3
  Top Layer w17: U1.6 2450,565 2470,545 R1.1
NetR5_1: R5.1 U1.5 | length 318.2
  Top Layer w10: U1.5 2410,520 2425,505 2527,505 2547,485 2547,373 2539,365 R5.1
NetR6_1: R6.1 U1.4 | length 359.6
  Top Layer w17: U1.4 2234.8,515.2 2269,481 2498,481 2515,464 R6.1
NetR16_1: R16.1 RGB1.3 | length 350.9
  Top Layer w6: R16.1 55,435 77,413 320,413 334,427 RGB1.3
NetR17_1: R17.1 RGB1.2 | length 167.4
  Top Layer w6: R17.1 173,474 188,489 262,489 270,497 270,510 278.06,518.06 RGB1.2
NetR18_1: R18.1 RGB1.1 | length 242.9
  Top Layer w6: R18.1 114,434 123,425 288,425 300.54,437.54 RGB1.1
NetR19_2: R19.2 RXD1.1 | length 65
  Top Layer w8: RXD1.1 R19.2
NetR20_2: R20.2 TXD1.1 | length 65
  Top Layer w6: TXD1.1 R20.2
NetR21_1: R21.1 RGB2.3 | length 301.3
  Top Layer w6: RGB2.3 390,506 405,491 446,491 461.91,475.09 461.91,424 491.91,394 527.03,394 551,417.97 R21.1
NetR22_1: R22.1 RGB2.2 | length 278.1
  Top Layer w6: RGB2.2 423.46,440.54 452,412 456.94,412 486.94,382 532,382 564,414 593,414 609,430 R22.1
NetR23_1: R23.1 RGB2.1 | length 267.6
  Top Layer w6: RGB2.1 447,518 476,489 638,489 R23.1
NetU6_3: U6.3 U6.4 | length 46.6
  Top Layer w6: U6.3 U6.4
  Top Layer w10: U6.3@430,665 435,670 U6.3
R_LED1: R16.2 U3.7 | length 1929.6
  Top Layer w6: R16.2@54,521 v1(54,557)
  Bottom Layer w6: v1(54,557) 98,601 327.06,601 338,611.94 338,668.94 405.06,736 522.86,736 566.86,780 566.97,780 584.01,797.04 584.01,1976.01 598,1990 U3.7
R_LED2: R21.2 U3.16 | length 2008.6
  Top Layer w6: R21.2 v1(551,554)
  Bottom Layer w6: v1(551,554) 513,592.03 513,658.15 568,713.15 568,713.25 586.75,732 586.85,732 632.01,777.16 632.01,1587.88 669,1624.87 669,1794.06 786.94,1912 961,1912 979,1930 979,2161 993.04,2175.04 U3.16
RST: OLED1.14 U3.37 | length 2016.2
  Top Layer w6: v1(1058,1277) 1058,1618 1092,1652 2035,1652 2090,1707 v1(2090,1985)
  Bottom Layer w6: v1(1058,1277) 1220,1277 1236.34,1293.34 OLED1.14 ; v1(2090,1985) 2119,1985 2122,1982 U3.37
RXD: RXD1.2 U3.10 U7.26 | length 698.5
  Top Layer w6: U7.26 500.31,1839.69 492,1848 435,1848 425,1858 RXD1.2 425,2121 479,2175 v1(680,2175)
  Bottom Layer w6: v1(680,2175) U3.10 U3.10
SCL1: R11.1 R37.2 U3.3 U5.6 U6.7 | length 5462.1
  Top Layer w6: U5.6 111.91,591.11 120.02,583 256,583 268,595 268,608 280,620 R11.1 300,576 309,567 461,567 470,576 470,623 480.19,633.19 U6.7 529,633.19 548,652.19 548,786 543,791 v1(528,791) ; v1(471,1975) 469,1977 469,2103 504,2138 2191,2138 2245.82,2083.18 2245.82,1807.18 2474,1579 2474,1398 2448,1372 2255,1372 2246,1381 2246,1535 2273,1562 2273,1623.03 2246.03,1650 2136,1650 2125,1639 R37.2
  Bottom Layer w6: v1(471,1975) 456,1990 U3.3 430,1886 528,1788 v1(528,791)
SCLK: R30.1 U3.23 U4.6 | length 3298.3
  Top Layer w6: U4.6 530,1320 520,1310 520,1236 527,1229 744.06,1229 781,1265.94 781,1766 845,1830 1355,1830 1380,1855 v1(1380,1990) 1354,1990 1334,2010 1334,2070 1360,2096 2157,2096 v1(2168,2085) ; R30.1 2155,1534 2168,1547 v1(2168,1614)
  Bottom Layer w6: v1(1380,1990) U3.23 ; v1(2168,1614) v1(2168,2085)
SDA1: R12.1 R38.2 U3.5 U5.1 U6.1 | length 4444.1
  Top Layer w6: U5.1@237.09,615.63 254.63,615.63 270,631 270,644 276,650 ; v1(271,726) 271,657 270,656 276,650 ; U6.1 364,595 360,599 R12.1 334,620 329,625 329,641 320,650 276,650 ; v1(489,2005) 489,2097 518,2126 2186.03,2126 2233.82,2078.21 2233.82,1802.21 2410,1626.03 2410,1551 2393,1534 R38.2
  Bottom Layer w6: v1(271,726) 378.09,726 400.09,748 517.89,748 561.89,792 562,792 572.01,802.01 572.01,1850.99 530,1893 U3.5 504,1990 v1(489,2005)
TXD: TXD1.2 U3.8 U7.25 | length 1016.7
  Top Layer w6: TXD1.2 425,1581 436,1592 625,1592 648,1615 648,1827 628,1847 569,1847 ; U7.25 520,1838 529,1847 569,1847 ; v1(579,2106) 579,1859 580,1858 569,1847
  Bottom Layer w6: v1(579,2106) 579,2165 589.04,2175.04 U3.8
UART_N: D2.2 J2.2 U7.5 | length 337.3
  Top Layer w6: J2.2 204.06,1746.06 220,1762 220,1770 225,1775 D2.2 v1(255,1735) ; v1(360,1699) 424.2,1699 U7.5
  Bottom Layer w6: v1(255,1735) 332,1735 360,1707 v1(360,1699)
UART_P: D1.2 J2.3 U7.4 | length 335.5
  Top Layer w6: J2.3 204.53,1720.47 220,1705 220,1680 230,1670 D1.2 255,1702 273,1720 U7.4
pads on no net: J1.G1 J1.G2 J2. J2.4 K1. OLED1.7 U3.40 U5.0 U5.3 U5.4 U7.1 U7.2 U7.10 U7.11 U7.12 U7.13 U7.14 U7.15 U7.16 U7.17 U7.18 U7.19 U7.20 U7.21 U7.22 U7.23 U7.24 U7.27 U7.28
copper on no net:
  other v1: 2150,469

## Polygon pours and split planes (outlines as drawn)
GND on Top Layer "Top Layer-GND" (solid, pour order 4): 142,2207 130,2207 118,2205 93,2198 71,2185 52,2169 38,2150 27,2129 21,2107 19,2095 19,2084 19,1493 19,1491 20,1488 21,1485 23,1481 26.23,1476.69 31,1473 32.55,1472.18 38,1470 42,1470 164,1470 174,1468 184,1465 191,1461 200,1454 206,1447 209,1442 211,1437 215,1426 216,1418 216,824 215,814 212,805 207,795 200,787 193,781 184,776 174,772 163,771 43,771 37,770 34,769 32,768 29,766 26.23,764 23,760 21,756 20,754 19,750 19,747 19,155 19,147 21,133 23,124 27,111 31,102 37,91 43,82 51,72 58,65 69,56 80,49 91,43 101,39 115,35 127,33 142,32 1771.53,32 1773,32 1774,32 1771.54,32 1774,32 1773.53,124 1772.53,795 1773.53,1215 1772.53,793 1774,1215 2547,1215 2546,1215 2543,1219 2547,1215 2546,2088.22 2543,2109 2537,2128 2532,2138 2526,2148 2519,2158 2511,2167 2495,2181 2477,2192 2458,2199 2446,2202 2430.11,2204.11
GND on Top Layer "GND" (solid, remove dead copper, pour order 2): 137,2204
AUDIO_GND on Top Layer "Top Layer-GND" (solid, pour order 8): 1781.09,1192 1783.09,1190 1783.09,29 2423,28 2446,30 2461,34 2483,43 2496,52 2510,64 2523,79 2532.58,95.42 2541,114 2543,123.08 2545.43,134.12 2547,152 2547,334 2547,619 2547,906 2547,1192
GND on Bottom Layer "Top Layer-GND" (solid, pour order 6): 142,2207 130,2207 118,2205 93,2198 71,2185 52,2169 38,2150 27,2129 21,2107 19,2095 19,2084 19,1493 19,1491 20,1488 21,1485 23,1481 26.23,1476.69 31,1473 32.55,1472.18 38,1470 42,1470 164,1470 174,1468 184,1465 191,1461 200,1454 206,1447 209,1442 211,1437 215,1426 216,1418 216,824 215,814 212,805 207,795 200,787 193,781 184,776 174,772 163,771 43,771 37,770 34,769 32,768 29,766 26.23,764 23,760 21,756 20,754 19,750 19,747 19,155 19,147 21,133 23,124 27,111 31,102 37,91 43,82 51,72 58,65 69,56 80,49 91,43 101,39 115,35 127,33 142,32 1768.78,28.62 1771,30.85 1771,1210.08 1773.15,1207.92 1771,1210.08 1769.92,31.92 1769.92,1209 1771,1207.92 1771,33.56 1769.92,1211.15 2546,1210.56 2546,2088.22 2543,2109 2537,2128 2532,2138 2526,2148 2519,2158 2511,2167 2495,2181 2477,2192 2458,2199 2446,2202 2430.11,2204.11
AUDIO_GND on Bottom Layer "bLayer-GND" (solid, pour order 10): 1781.09,1192 1783.09,1190 1783.09,29 2423,28 2446,30 2461,34 2483,43 2496,52 2510,64 2523,79 2532.58,95.42 2541,114 2543,123.08 2545.43,134.12 2547,152 2547,334 2547,619 2547,906 2547,1192

## Keep-outs
Keep-Out Layer:
  circle w100: c2422.44,2081.74 r68.14
  circle w100: c2422.44,152.6 r68.14
  circle w100: c138.97,152.6 r68.14
  circle w100: c138.97,2081.74 r68.14
  lines w0.5: 1.18,123.08 ccw(c119.29,123.08) 119.29,4.97 2442.12,4.97 ccw(c2442.12,123.08) 2560.23,123.08 2560.23,2127 ccw(c2443.99,2130.13) 2447.12,2246.38 124.29,2246.38 ccw(c122.92,2124.63) 1.18,2126 1.18,1491.19 ccw(c40.55,1491.19) 40.55,1451.82 158.66,1451.82 cw(c158.66,1412.45) 198.03,1412.45 198.03,821.89 cw(c158.66,821.89) 158.66,782.52 40.55,782.52 ccw(c40.55,743.15) 1.18,743.15 1.18,123.08

## Other copper
Top Layer:
  rectangle net +5V_RPi: 2185,555 2260,600
  region net +3.3V: 476,764 476,729 461,744
  region net +5V_RPi: 2158.33,599.17 2185,592.5 2185,555
  region net SDA1: 267,662 275,654 275,648 267,640
  region net TXD: 569,1847 574.5,1852.5 583,1859 596,1847
  pour cut-out: 1772.83,123.08 1771,121.25 1771,6 1792,6 1793,5 1802,14 1802,155
  pour cut-out: 2576,1191 1814,1191 1814,1215 2580,1215 2582,1217
  pour cut-out: 1767.65,792.37 1766,794.01 1766,1215 1781,1215 1781,784
  pour cut-out: 1814,1191 1766,1191 1766,1215 1814,1215
Bottom Layer:
  rectangle net +5V_RPi: 329,2157 426,2194

## Silkscreen, mask and mechanical layers (free items; w line width, h text height)
Top Overlay:
  lines w5: 810,144 1595,144 ; 810,220 1595,220 ; 810,805 1595,805 ; 810,855 1595,855 ; 1071,220 1071,855 ; 1357,144 1357,855
  lines w5.98: 710,5 710,990 1685,990 1685,5 710,5
  text "Get more information from" at 1420,2055 h60
  text "STEP" at 537,1989 h190
  text "https://www.stepfpga.com/doc" at 1420,1985 h60
  text "Explorer HAT" at 1800,1755 h110
  text "V1.0" at 2344,1695 h60
  text "WiringPi" at 1419,818 h40
  text "BCM" at 1170,817 h40
  text "NAME" at 880,815 h40
  text "R_LED1" at 870,765 h40
  text "4" at 1200,765.08 h40
  text "7" at 1480,765.42 h40
  text "R_LED2" at 870,730 h40
  text "23" at 1190,730 h40
  text "4" at 1480,730 h40
  text "B_LED1" at 870,695 h40
  text "18" at 1191,695 h40
  text "1" at 1483,695 h40
  text "B_LED2" at 870,660 h40
  text "5" at 1481,660 h40
  text "24" at 1191,659 h40
  text "G_LED1" at 870,625 h40
  text "21" at 1192,624 h40
  text "2" at 1480,624 h40
  text "G_LED2" at 870,590 h40
  text "22" at 1191,589 h40
  text "3" at 1480,589 h40
  text "KEY1" at 885,545 h40
  text "6" at 1200.42,545.21 h40
  text "22" at 1469,545 h40
  text "KEY2" at 885,515 h40
  text "13" at 1191.75,515.21 h40
  text "23" at 1469,515.21 h40
  text "KEY3" at 885,485 h40
  text "16" at 1191.75,485 h40
  text "27" at 1469,484.79 h40
  text "KEY4" at 885,455 h40
  text "12" at 1191.89,454.96 h40
  text "26" at 1469,455.17 h40
  text "KEY5" at 885,425 h40
  text "19" at 1191.72,424.96 h40
  text "24" at 1469,424.75 h40
  text "APDS-INT" at 850,385 h40
  text "17" at 1191.75,384.98 h40
  text "0" at 1479,385.19 h40
  text "DMIC_CLK" at 840,345 h40
  text "5" at 1200.4,345 h40
  text "21" at 1470,345 h40
  text "DMIC_OUT" at 840,310 h40
  text "25" at 1190.22,310 h40
  text "6" at 1480,310 h40
  text "OLED_D/C" at 840,265 h40
  text "20" at 1190.35,261.85 h40
  text "28" at 1469,261.85 h40
  text "OLED_RST" at 840,230 h40
  text "26" at 1190.31,230 h40
  text "25" at 1470,230 h40
  text "SHT20 Device Address" at 820,185 h40
  text "0x40" at 1450,185 h40
  text "APDS9901 Device Address" at 820,155 h40
  text "0x39" at 1450,155 h40
Mechanical 1:
  circle w0.5: c789,84 r45.28
  circle w0.5: c1281,84 r45.28
  circle w0.5: c1281,911 r45.28
  circle w0.5: c789,911 r45.28
  circle w0.5: c605,620 r10
  circle w0.5: c605,620 r15
  circle w0.5: c138.97,152.6 r54.13
  circle w0.5: c2422.44,152.6 r54.13
  circle w0.5: c2422.44,2081.74 r54.13
  circle w0.5: c138.97,2081.74 r54.13
  lines w0.5: 1.18,122.92 1.18,743 ; 1.18,123.08 ccw(c119.29,123.08) 119.29,4.97 2442.12,4.97 ccw(c2442.12,123.08) 2560.23,123.08 2560.23,2127 ccw(c2443.99,2130.13) 2447.12,2246.38 124.29,2246.38 ccw(c122.92,2124.63) 1.18,2126 1.18,1491.19 ccw(c40.55,1491.19) 40.55,1451.82 158.66,1451.82 cw(c158.66,1412.45) 198.03,1412.45 198.03,821.89 cw(c158.66,821.89) 158.66,782.52 40.55,782.52 ccw(c40.55,743.15) 1.18,743.15 ; 40.55,767.86 65.7,767.86 160,767.86 ; 280.7,1981.74 2280.7,1981.74 2280.7,2181.74 280.7,2181.74 280.7,1981.74 ; 1733.46,162.45 ccw(c1772.83,162.45) 1812.2,162.45 1812.2,743.15 1812.2,753 ccw(c1772.83,753) 1733.46,753 1733.46,743.15 1733.46,162.45
  lines w5.98: 870,1705 cw(c870,1745) 870,1785 1520,1785 cw(c1520,1745) 1520,1705 870,1705